# Altium PCB mach PCB.PcbDoc (part 4 of 6)
Units mm, origin at the board's own origin, x right, y up, seen from the top; angles counter-clockwise.
Board outline 300.6 x 300.64 mm, 2 copper layers (Top Layer, Bottom Layer); 688 components, 737 nets, 3205 pads, 25 vias.
Unrouted connection lines stored in the file: 1.
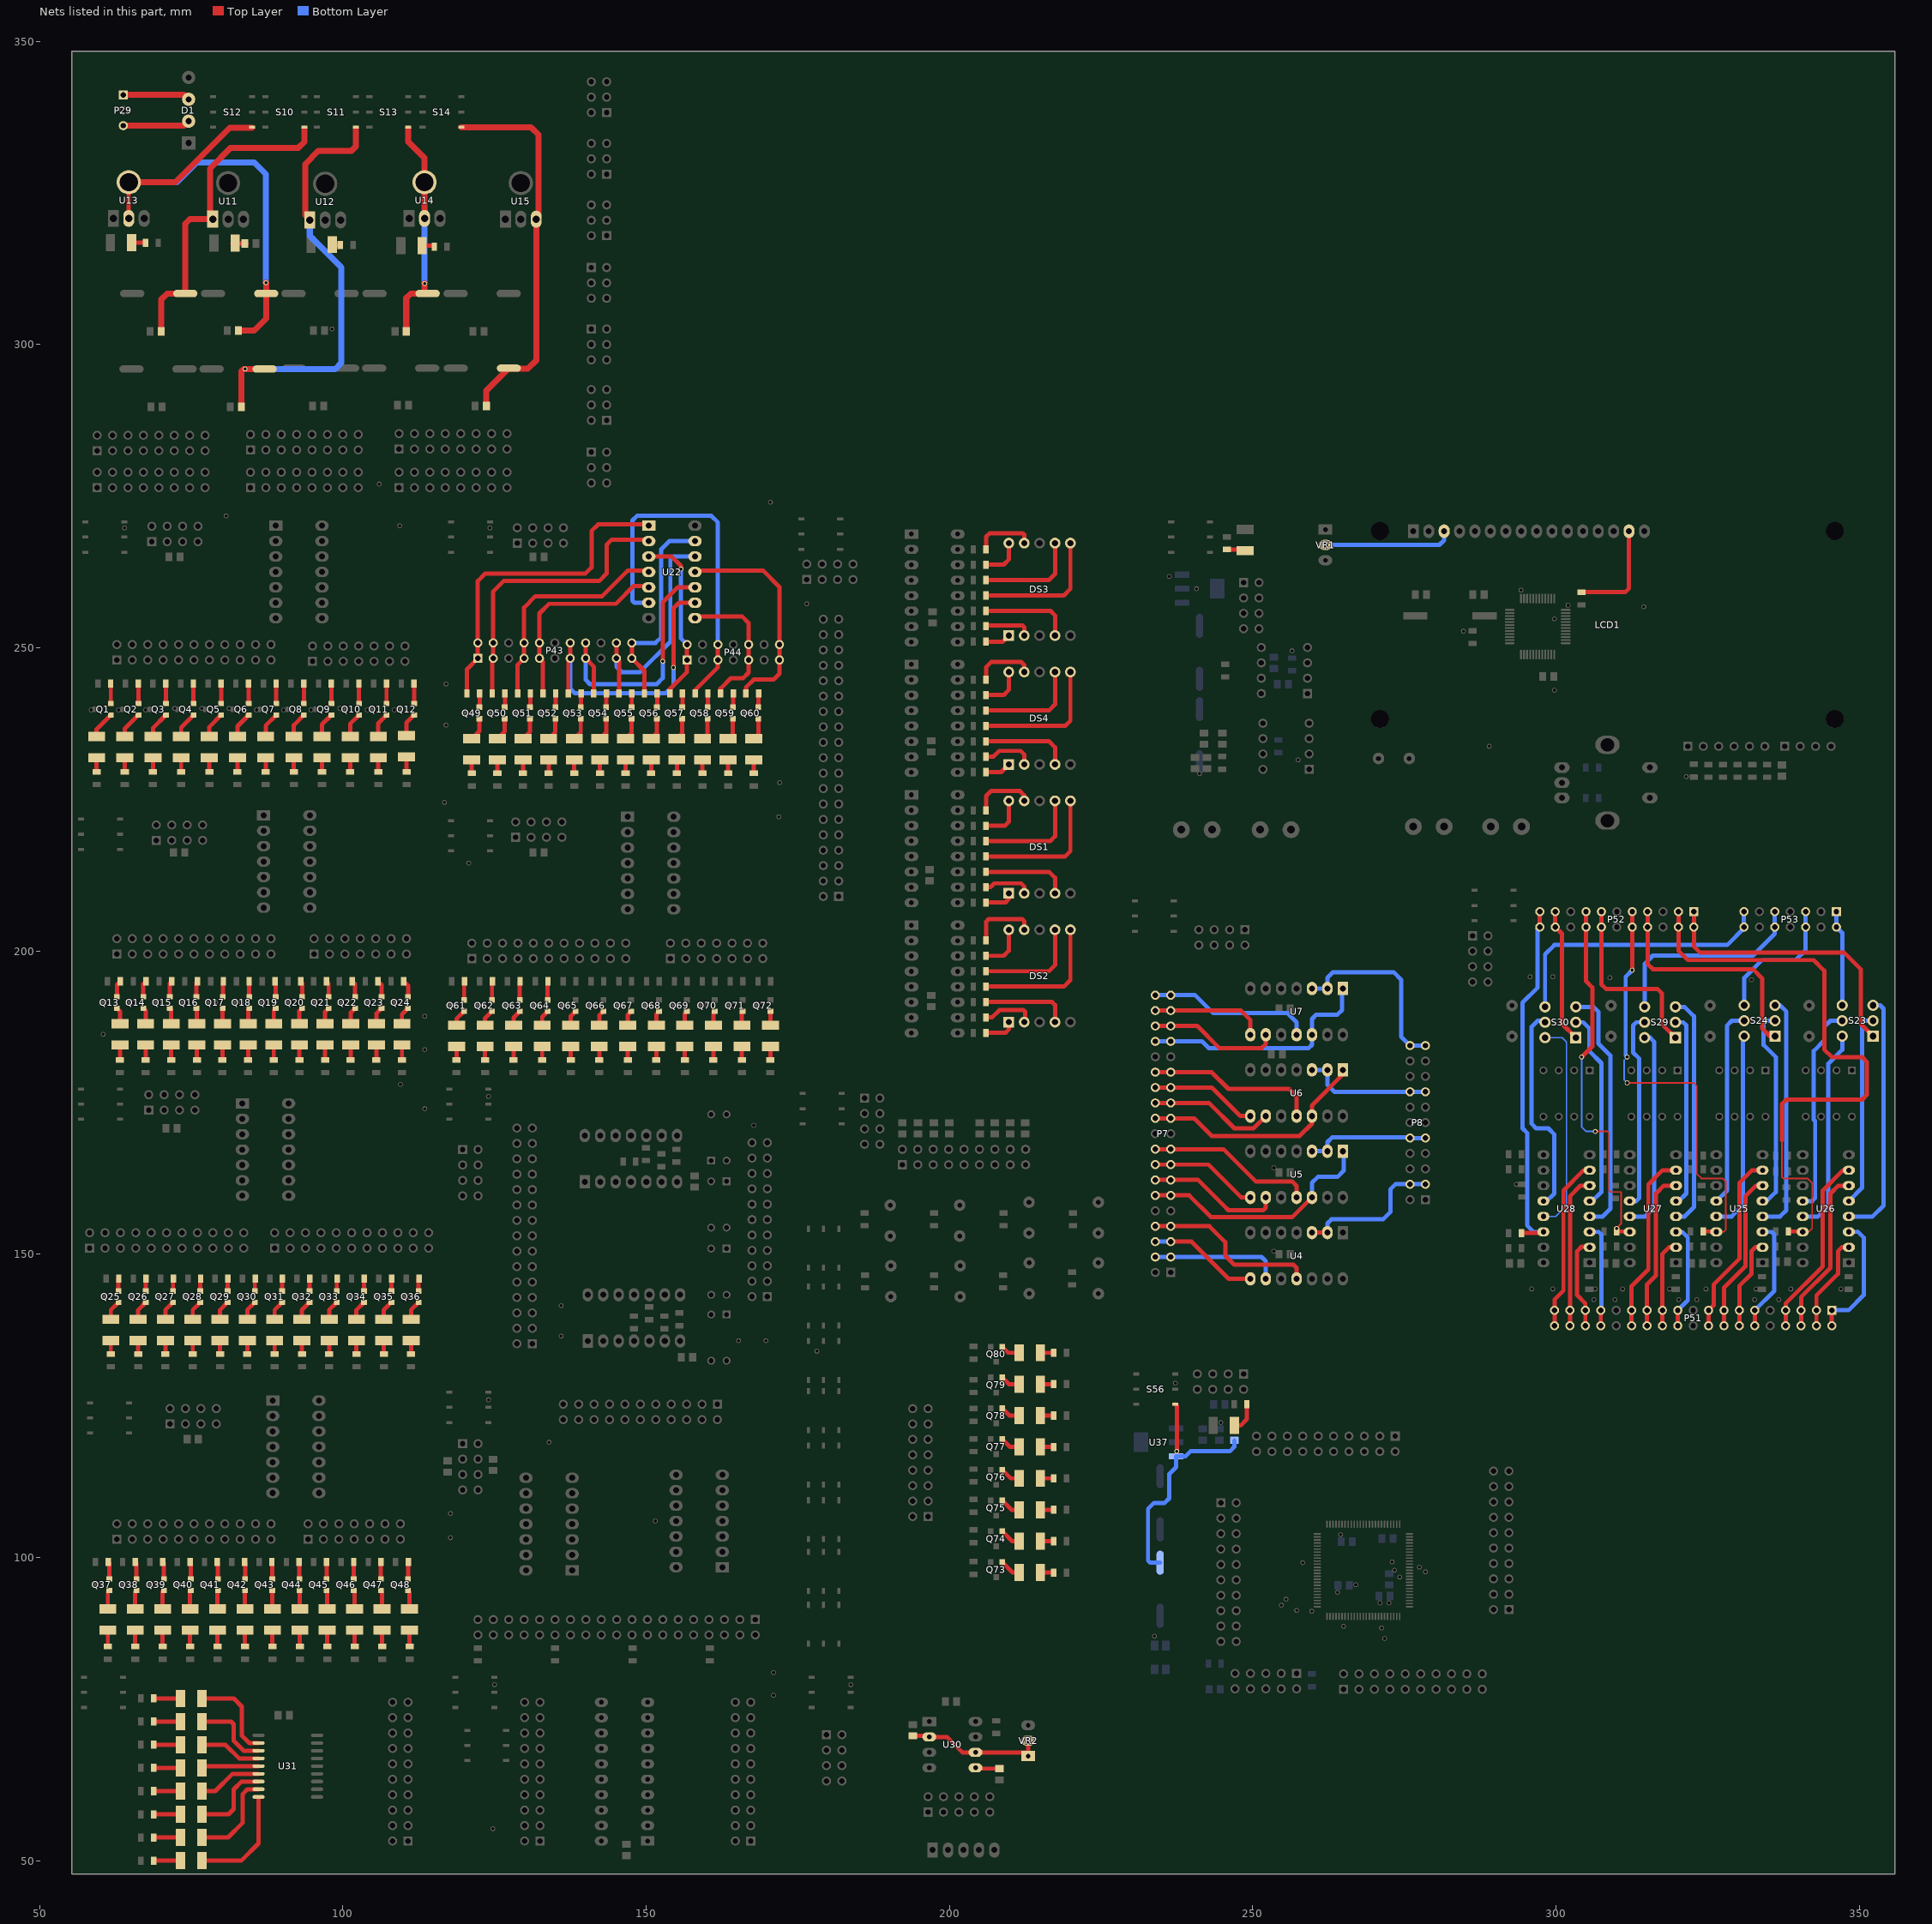
[diagram p4: the nets of this part, all layers, seen from the top]

## Via types
v1: diameter 1.27, hole 0.711, Top Layer to Bottom Layer, 25 vias

## Nets (pads, with @x,y where several pads share a name; then routed paths per layer and width w, separated by ;. In a path a pad name is that pad's centre, name@x,y a point inside that pad or via, vN(x,y) a via of type N, cw(c..) or ccw(c..) an arc to the next point about the centre after c; other vN are vias at no path point) (continued)
LS90_QA1: P7.11 P7.12 U5.1 U5.12 | length 40.4
  Top Layer w0.7: P7.12@233.96,159.7 P7.11@236.5,159.7 239.55,159.7 243.1,156.15 256.556,156.15 259.763,159.357 U5.12@259.79,159.357
  Bottom Layer w0.7: U5.12@259.79,159.357 259.79,161.79 260.75,162.75 264,162.75 265,163.75 265,166.847 U5.1@264.87,166.977
LS90_QA2: P7.21 P7.22 U6.1 U6.12 | length 38.8
  Top Layer w0.7: P7.22@233.96,172.4 P7.21@236.5,172.4 240.35,172.4 243.25,169.5 257.75,169.5 259.79,171.54 U6.12@259.79,172.773 259.79,174.54 264.87,179.62 U6.1@264.87,180.393
LS90_QA3: P7.31 P7.32 U7.1 U7.12 | length 39.9
  Bottom Layer w0.7: P7.32@233.96,185.1 P7.31@236.5,185.1 241.65,185.1 242.75,184 259.25,184 259.79,184.54 U7.12@259.79,186.19 259.79,188.79 260.5,189.5 264,189.5 264.75,190.25 264.75,193.69 U7.1@264.87,193.81
LS90_QB0: P7.3 P7.4 U4.9 | length 21.4
  Bottom Layer w0.7: P7.4@233.96,149.54 P7.3@236.5,149.54 251.46,149.54 252.17,148.83 U4.9@252.17,145.94
LS90_QB1: P7.13 P7.14 U5.9 | length 22.1
  Top Layer w0.7: P7.14@233.96,162.24 P7.13@236.5,162.24 241.01,162.24 245.25,158 246,157.25 251.75,157.25 252.17,157.67 U5.9@252.17,159.357
LS90_QB2: P7.23 P7.24 U6.9 | length 20.8
  Top Layer w0.7: P7.24@233.96,174.94 P7.23@236.5,174.94 242.81,174.94 247,170.75 250.147,170.75 U6.9@252.17,172.773
LS90_QB3: P7.33 P7.34 U7.9 | length 21.5
  Top Layer w0.7: P7.34@233.96,187.64 P7.33@236.5,187.64 240.86,187.64 244.5,184 251.5,184 252.17,184.67 U7.9@252.17,186.19
LS90_QC0: P7.5 P7.6 U4.8 | length 18.2
  Top Layer w0.7: P7.5@236.5,152.08 239.92,152.08 246.06,145.94 U4.8@249.63,145.94
  Bottom Layer w0.7: P7.6@233.96,152.08 P7.5@236.5,152.08
LS90_QC1: P7.15 P7.16 U5.8 | length 17.9
  Top Layer w0.7: P7.16@233.96,164.78 P7.15@236.5,164.78 242.72,164.78 248.143,159.357 U5.8@249.63,159.357
LS90_QC2: P7.25 P7.26 U6.8 | length 17.6
  Top Layer w0.7: P7.26@233.96,177.48 P7.25@236.5,177.48 243.27,177.48 247.977,172.773 U6.8@249.63,172.773
LS90_QC3: P7.35 P7.36 U7.8 | length 18.7
  Top Layer w0.7: P7.36@233.96,190.18 P7.35@236.5,190.18 248.07,190.18 249.63,188.62 U7.8@249.63,186.19
LS90_QD0: P7.7 P7.8 U4.11 | length 29.3
  Top Layer w0.7: P7.8@233.96,154.62 P7.7@236.5,154.62 242.88,154.62 245.5,152 245.5,149.75 247,148.25 256.75,148.25 257.25,147.75 U4.11@257.25,145.94
LS90_QD1: P7.17 P7.18 U5.11 | length 27.7
  Top Layer w0.7: P7.18@233.96,167.32 P7.17@236.5,167.32 245.18,167.32 250.5,162 256.5,162 257.25,161.25 U5.11@257.25,159.357
LS90_QD2: P7.27 P7.28 U6.11 | length 28.2
  Top Layer w0.7: P7.28@233.96,180.02 P7.27@236.5,180.02 243.23,180.02 246,177.25 256,177.25 257.25,176 U6.11@257.25,172.773
LS90_QD3: P7.37 P7.38 U7.11 | length 27.2
  Bottom Layer w0.7: P7.38@233.96,192.72 P7.37@236.5,192.72 240.53,192.72 243.5,189.75 255.75,189.75 257.25,188.25 U7.11@257.25,186.19
LS90_RST0: P8.3 P8.4 U4.2 U4.3 | length 25.1
  Top Layer w0.7: U4.3@259.79,153.56 U4.2@262.33,153.56
  Bottom Layer w0.7: U4.2@262.33,153.56 262.33,155.08 263,155.75 271.5,155.75 272.75,157 272.75,160.75 273.54,161.54 P8.4@275.96,161.54 P8.3@278.5,161.54
LS90_RST1: P8.9 P8.10 U5.2 U5.3 | length 20.6
  Bottom Layer w0.7: U5.3@259.79,166.977 U5.2@262.33,166.977 262.33,168.5 263.08,169.25 275.87,169.25 P8.10@275.96,169.16 P8.9@278.5,169.16
LS90_RST2: P8.15 P8.16 U6.2 U6.3 | length 21.7
  Bottom Layer w0.7: U6.3@259.79,180.393 U6.2@262.33,180.393 262.33,177.92 263.47,176.78 P8.16@275.96,176.78 P8.15@278.5,176.78
LS90_RST3: P8.21 P8.22 U7.2 U7.3 | length 31.4
  Bottom Layer w0.7: U7.3@259.79,193.81 U7.2@262.33,193.81 262.33,195.58 263.25,196.5 273.25,196.5 274.5,195.25 274.5,185.86 P8.22@275.96,184.4 P8.21@278.5,184.4
LS192_CLKI0: P52.1 P52.2 S23.1 | length 46.7
  Top Layer w0.7: P52.1@322.75,206.5 P52.2@322.75,203.96 322.75,200.75 323.75,199.75 347.5,199.75 350.25,197 350.25,188 S23.1@352.29,185.96
LS192_CLKI1: P52.7 P52.8 S24.1 | length 39.4
  Top Layer w0.7: P52.7@315.13,206.5 P52.8@315.13,203.96 315.13,197.87 316,197 332.5,197 334,195.5 334,187.25 335.29,185.96 S24.1@336.123,185.96
LS192_CLKI2: P52.13 P52.14 S29.1 | length 30.8
  Top Layer w0.7: P52.13@307.51,206.5 P52.14@307.51,203.96 307.51,194.49 308.25,193.75 316.75,193.75 317.5,193 317.5,187.917 S29.1@319.707,185.71
LS192_CLKI3: P52.19 P52.20 S30.1 | length 22.2
  Top Layer w0.7: P52.19@299.89,206.5 P52.20@299.89,203.96 301,202.85 301,188 S30.1@303.29,185.71
LS192_CLKO0: P53.1 P53.2 S23.4 | length 15.9
  Bottom Layer w0.7: P53.1@346.25,206.5 P53.2@346.25,203.96 347.21,203 S23.4@347.21,191.04
LS192_CLKO1: P53.5 P53.6 S24.4 | length 22.9
  Bottom Layer w0.7: S24.4@331.043,191.04 331.043,195.543 334,198.5 339.5,198.5 341.17,200.17 P53.6@341.17,203.96 P53.5@341.17,206.5
LS192_CLKO2: P53.9 P53.10 S29.4 | length 34.3
  Bottom Layer w0.7: S29.4@314.627,190.79 314.627,197.877 316,199.25 332.5,199.25 336.09,202.84 P53.10@336.09,203.96 P53.9@336.09,206.5
LS192_CLKO3: P53.13 P53.14 S30.4 | length 46
  Bottom Layer w0.7: S30.4@298.21,190.79 298.21,199.46 299.75,201 328.25,201 331.01,203.76 P53.14@331.01,203.96 P53.13@331.01,206.5
LS192_DOWN0: S23.3 U26.4 | length 40.6
  Bottom Layer w0.7: U26.4@348.312,156.223 352.223,156.223 354.015,158.015 354.015,190.485 353.46,191.04 S23.3@352.54,191.04
LS192_DOWN1: S24.3 U25.4 | length 39.4
  Bottom Layer w0.7: U25.4@334.062,156.223 336.973,156.223 338,157.25 338,190 336.96,191.04 S24.3@336.123,191.04
LS192_DOWN2: S29.3 U27.4 | length 38.8
  Bottom Layer w0.7: S29.3@319.707,190.79 321.21,190.79 322.75,189.25 322.75,157.75 321.223,156.223 U27.4@319.812,156.223
LS192_DOWN3: S30.3 U28.4 | length 41.3
  Bottom Layer w0.7: S30.3@303.29,190.79 306.21,190.79 307,190 307,184.75 309,182.75 309,157.5 307.723,156.223 U28.4@305.562,156.223
LS192_QA0: P51.1 P51.2 U26.3 | length 21.2
  Top Layer w0.7: P51.2@345.5,138.21 P51.1@345.5,140.75
  Bottom Layer w0.7: P51.1@345.5,140.75 348.25,140.75 350.75,143.25 350.75,152.75 349.75,153.75 349.683,153.683 U26.3@348.312,153.683
LS192_QA1: P51.11 P51.12 U25.3 | length 18.5
  Top Layer w0.7: P51.12@332.8,138.21 P51.11@332.8,140.75
  Bottom Layer w0.7: P51.11@332.8,140.75 336,143.95 336,153.25 335.567,153.683 U25.3@334.062,153.683
LS192_QA2: P51.21 P51.22 U27.3 | length 17.5
  Top Layer w0.7: P51.22@320.1,138.21 P51.21@320.1,140.75
  Bottom Layer w0.7: U27.3@319.812,153.683 320.817,153.683 321.75,152.75 321.75,142.4 P51.21@320.1,140.75
LS192_QA3: P51.31 P51.32 U28.3 | length 17.2
  Top Layer w0.7: P51.32@307.4,138.21 P51.31@307.4,140.75
  Bottom Layer w0.7: U28.3@305.562,153.683 307.067,153.683 307.5,153.25 307.5,140.85 P51.31@307.4,140.75
LS192_QB0: P51.3 P51.4 U26.2 | length 15.8
  Top Layer w0.7: P51.4@342.96,138.21 P51.3@342.96,140.71 ; P51.3@342.96,140.75 342.96,143.21 346.5,146.75 346.5,150.5 347.143,151.143 U26.2@348.312,151.143
LS192_QB1: P51.13 P51.14 U25.2 | length 15.2
  Top Layer w0.7: P51.14@330.26,138.21 P51.13@330.26,140.75 330.26,144.76 332.25,146.75 332.25,150.5 332.893,151.143 U25.2@334.062,151.143
LS192_QB2: P51.23 P51.24 U27.2 | length 14.6
  Top Layer w0.7: P51.24@317.56,138.21 P51.23@317.56,140.75 317.56,150.06 318.643,151.143 U27.2@319.812,151.143
LS192_QB3: P51.33 P51.34 U28.2 | length 15.3
  Top Layer w0.7: P51.34@304.86,138.21 P51.33@304.86,140.75 304.86,141.89 303.5,143.25 303.5,150.5 304.25,151.25 305.454,151.25 U28.2@305.562,151.143
LS192_QC0: P51.5 P51.6 U26.6 | length 27.4
  Top Layer w0.7: P51.6@340.42,138.21 P51.5@340.42,140.75 340.42,142.92 345.25,147.75 345.25,160 346.553,161.303 U26.6@348.312,161.303
LS192_QC1: P51.15 P51.16 U25.6 | length 26.3
  Top Layer w0.7: P51.16@327.72,138.21 P51.15@327.72,140.75 327.72,144.47 331.25,148 331.25,159.553 333,161.303 U25.6@334.062,161.303
LS192_QC2: P51.25 P51.26 U27.6 | length 26.3
  Top Layer w0.7: P51.26@315.02,138.21 P51.25@315.02,140.75 315.02,145.02 316.5,146.5 316.5,160 317.803,161.303 U27.6@319.812,161.303
LS192_QC3: P51.35 P51.36 U28.6 | length 25.3
  Top Layer w0.7: P51.36@302.32,138.21 P51.35@302.32,140.75 302.32,159.57 304.053,161.303 U28.6@305.562,161.303
LS192_QD0: P51.7 P51.8 U26.7 | length 30.5
  Top Layer w0.7: P51.8@337.88,138.21 P51.7@337.88,140.75 337.88,141.88 344,148 344,160.5 347.343,163.843 U26.7@348.312,163.843
LS192_QD1: P51.17 P51.18 U25.7 | length 30.3
  Top Layer w0.7: P51.18@325.18,138.21 P51.17@325.18,140.75 326,141.57 326,145 330.25,149.25 330.25,161.75 332.343,163.843 U25.7@334.062,163.843
LS192_QD2: P51.27 P51.28 U27.7 | length 30
  Top Layer w0.7: P51.28@312.48,138.21 P51.27@312.48,140.75 312.48,144.73 315.25,147.5 315.25,161.5 317.593,163.843 U27.7@319.812,163.843
LS192_QD3: P51.37 P51.38 U28.7 | length 28.6
  Top Layer w0.7: P51.38@299.78,138.21 P51.37@299.78,140.75 299.78,142.53 301.25,144 301.25,160.5 304.593,163.843 U28.7@305.562,163.843
LS192_RST0: P52.3 P52.4 R187.2 U26.14 | length 101.9
  Top Layer w0.254: 337.25,168.75 337.25,162.75 337.5,162.5 341.5,162.5 342.25,161.75 342.25,154.25 341.683,153.683 U26.14@340.692,153.683
  Top Layer w0.7: P52.3@320.21,206.5 P52.4@320.21,203.96 320.21,200.04 321.75,198.5 342.5,198.5 344.25,196.75 344.25,183.75 345.5,182.5 350.5,182.5 351.25,181.75 351.25,176.25 350.5,175.5 338,175.5 337.25,174.75 337.25,168.75 ; R187.2@338.325,153.75 340.624,153.75 U26.14@340.692,153.683
LS192_RST1: P52.9 P52.10 pad.24@312.59,196.84 pad.25@311.75,182.5 pad.26@311.75,182.5 pad.27@311.75,178.25 R182.2 U25.14 | length 72.5
  Top Layer w0.254: pad.27@311.75,178.25 322.75,178.25 323.25,177.75 323.25,163.25 324,162.5 327.5,162.5 328,162 328,154 327.683,153.683 U25.14@326.442,153.683 ; pad.24@312.5,196.75 pad.24@312.59,196.84
  Top Layer w0.7: pad.24@312.59,196.84 P52.10@312.59,203.96 P52.9@312.59,206.5 ; R182.2@324.5,153.75 326.374,153.75 U25.14@326.442,153.683
  Bottom Layer w0.254: pad.27@311.75,178.25 311.25,178.75 311.25,182 pad.26@311.75,182.5
  Bottom Layer w0.7: pad.26@311.75,182.5 311.5,182.75 311.5,195.75 pad.24@312.59,196.84
LS192_RST2: P52.15 P52.16 pad.12@304.25,182.5 pad.14@306.5,170.25 pad.14@310,154.25 R194.2 U27.14 | length 61.4
  Top Layer w0.254: pad.14@306.5,170.25 308.5,170.25 308.748,170.002 308.748,168.498 308.748,160.523 309.021,160.25 310.75,160.25 310.75,159.787 310.752,159.785 310.752,155.002 pad.14@310,154.25
  Top Layer w0.7: pad.12@304.25,182.5 306,184.25 306,194 304.97,195.03 P52.16@304.97,203.96 P52.15@304.97,206.5 ; R194.2@310.05,153.75 312.124,153.75 U27.14@312.192,153.683
  Bottom Layer w0.254: pad.12@304.25,182.5 304.25,171 305,170.25 pad.14@306.25,170.25
LS192_RST3: P52.21 P52.22 R199.2 U28.14 | length 59.9
  Top Layer w0.7: R199.2@294.525,153.5 297.759,153.5 U28.14@297.942,153.683 ; P52.22@297.35,203.96 P52.21@297.35,206.5
  Bottom Layer w0.7: P52.22@297.35,203.96 297,203.61 297,194 294.5,191.5 294.5,170.75 295.25,170 295.25,154.75 296.317,153.683 U28.14@297.942,153.683
LS192_TCD0: S23.6 U26.13 | length 33.9
  Bottom Layer w0.7: U26.13@340.692,156.223 343.223,156.223 344.93,157.93 344.93,181.43 347.21,183.71 S23.6@347.21,185.96
LS192_TCD1: S24.6 U25.13 | length 33.1
  Bottom Layer w0.7: U25.13@326.442,156.223 328.973,156.223 330.82,158.07 330.82,185.737 S24.6@331.043,185.96
LS192_TCD2: S29.6 U27.13 | length 33.8
  Bottom Layer w0.7: U27.13@312.192,156.223 314.723,156.223 316.18,157.68 316.18,185.07 315.54,185.71 S29.6@314.627,185.71
LS192_TCD3: S30.6 U28.13 | length 35.4
  Bottom Layer w0.254: U28.13@297.942,156.223 299.973,156.223 301.75,158 301.75,185 301.04,185.71 S30.6@298.21,185.71
LS192_TCU0: S23.5 U26.12 | length 34.9
  Bottom Layer w0.7: U26.12@340.692,158.763 342.263,158.763 342.75,159.25 342.75,171.973 342.53,172.193 342.53,183.53 344.25,185.25 344.25,187.5 345.25,188.5 S23.5@347.21,188.5 S23.5@347.46,188.5
LS192_TCU1: S24.5 U25.12 | length 32.9
  Bottom Layer w0.7: U25.12@326.442,158.763 326.513,158.763 328.25,160.5 328.25,187.75 329,188.5 S24.5@331.043,188.5
LS192_TCU2: S29.5 U27.12 | length 32.8
  Bottom Layer w0.7: U27.12@312.192,158.763 313.263,158.763 313.75,159.25 313.742,159.258 313.742,182.258 312.75,183.25 312.75,187.75 313.25,188.25 S29.5@314.627,188.25
LS192_TCU3: S30.5 U28.12 | length 35.3
  Bottom Layer w0.7: U28.12@297.942,158.763 298.504,158.763 299.75,160.008 299.75,169.742 298.742,170.75 296.75,170.75 296,171.5 296,187.5 297,188.5 297.96,188.5 S30.5@298.21,188.25
LS192_UP0: S23.2 U26.5 | length 32.5
  Bottom Layer w0.7: U26.5@348.312,158.763 350.5,160.951 350.5,188.25 350.75,188.5 S23.2@352.54,188.5
LS192_UP1: S24.2 U25.5 | length 33.5
  Bottom Layer w0.7: U25.5@334.062,158.763 334.763,158.763 336.25,160.25 336.25,182.5 334.25,184.5 334.25,185.206 334.25,188 334.75,188.5 S24.2@336.123,188.5
LS192_UP2: S29.2 U27.5 | length 32
  Bottom Layer w0.7: S29.2@319.707,188.25 321,188.25 321.5,187.75 321.5,160 320.263,158.763 U27.5@319.812,158.763
LS192_UP3: S30.2 U28.5 | length 33
  Bottom Layer w0.7: S30.2@303.29,188.25 304.5,188.25 305.5,187.25 305.5,183.5 307.5,181.5 307.5,160.25 306.013,158.763 U28.5@305.562,158.763
NANDI1: P43.1 P43.2 R132.2 U22.1 | length 54.8
  Top Layer w0.7: R132.2@120.45,242.5 120.45,246.45 P43.1@122.25,248.25 P43.2@122.25,250.79 122.25,261 123.5,262.25 140,262.25 141,263.25 141,269.25 142.12,270.37 U22.1@150.44,270.37
NANDI2: P43.3 P43.4 R133.2 U22.2 | length 48.8
  Top Layer w0.7: R133.2@124.632,242.5 124.632,248.092 P43.3@124.79,248.25 P43.4@124.79,250.79 124.79,259.29 126.5,261 142.25,261 143.5,262.25 143.5,267 144.33,267.83 U22.2@150.44,267.83
NANDI3: P43.7 P43.8 R134.2 U22.4 | length 37.7
  Top Layer w0.7: R134.2@128.814,242.5 128.814,247.194 P43.7@129.87,248.25 P43.8@129.87,250.79 129.87,256.62 131.75,258.5 142.75,258.5 147,262.75 U22.4@150.44,262.75
NANDI4: P43.9 P43.10 R135.2 U22.5 | length 33.3
  Top Layer w0.7: R135.2@132.995,242.5 132.995,247.665 P43.9@132.41,248.25 P43.10@132.41,250.79 132.41,255.66 134,257.25 145,257.25 147.96,260.21 U22.5@150.44,260.21
NANDI5: P43.13 P43.14 pad.12@154.5,246.75 R140.2 U22.9 | length 47.9
  Top Layer w0.7: R140.2@137.177,242.5 137.177,247.937 P43.13@137.49,248.25 P43.14@137.49,250.79 ; pad.12@154.5,246.75 154.5,256.5 155.42,257.42 U22.9@158.06,257.42
  Bottom Layer w0.7: P43.13@137.49,248.25 137.49,243.26 138.25,242.5 153.25,242.5 154.5,243.75 pad.12@154.5,246.75
NANDI6: P43.15 P43.16 pad.13@152.75,247.75 R141.2 U22.10 | length 44.6
  Top Layer w0.7: P43.16@140.03,250.79 P43.15@140.03,248.25 141.359,246.921 R141.2@141.359,242.5 ; pad.13@152.75,247.75 152.75,257.5 155.21,259.96 U22.10@158.06,259.96
  Bottom Layer w0.7: P43.15@140.03,248.25 140.03,244.72 140.75,244 151.75,244 152.75,245 pad.13@152.75,247.75
NANDI7: P43.19 P43.20 R142.2 U22.12 | length 38.9
  Top Layer w0.7: P43.20@145.11,250.79 P43.19@145.11,248.25 145.541,247.819 R142.2@145.541,242.5
  Bottom Layer w0.7: P43.19@145.11,248.25 145.11,246.89 146,246 149,246 154,251 154,264.5 154.54,265.04 U22.12@158.06,265.04
NANDI8: P43.21 P43.22 R143.2 U22.13 | length 35
  Top Layer w0.7: P43.22@147.65,250.79 P43.21@147.65,248.25 149.723,246.177 R143.2@149.723,242.5
  Bottom Layer w0.7: P43.22@147.65,250.79 151.54,250.79 152.5,251.75 152.5,266.25 153.83,267.58 U22.13@158.06,267.58
NANDO1: P44.1 P44.2 pad.14@155.75,263 R148.2 U22.3 | length 28.5
  Top Layer w0.7: U22.3@150.44,265.04 154.21,265.04 155.75,263.5 pad.14@155.75,263 ; R148.2@153.905,242.5 153.905,243.155 156.75,246 P44.1@156.75,248 P44.2@156.75,250.54
  Bottom Layer w0.7: pad.14@155.75,263 155.75,251.54 P44.2@156.75,250.54
NANDO2: P44.5 P44.6 R149.2 U22.6 | length 60.6
  Top Layer w0.7: R149.2@158.086,242.5 158.086,243.025 161.83,246.769 P44.5@161.83,248 P44.6@161.83,250.54
  Bottom Layer w0.7: U22.6@150.44,257.42 148.08,257.42 147.75,257.75 147.75,271 148.5,271.75 160.75,271.75 161.83,270.67 P44.6@161.83,250.54
NANDO3: P44.9 P44.10 R150.2 U22.8 | length 24.2
  Top Layer w0.7: U22.8@158.06,255.13 165.87,255.13 166.91,254.09 P44.10@166.91,250.54 ; R150.2@162.268,242.5 162.268,243.268 164,245 166,245 166.91,245.91 P44.9@166.91,248 P44.10@166.91,250.54 ; P44.10@166.75,250.38 P44.10@166.91,250.54
NANDO4: P44.13 P44.14 R151.2 U22.11 | length 36.8
  Top Layer w0.7: U22.11@158.06,262.75 169.25,262.75 171.99,260.01 P44.14@171.99,250.54 P44.13@171.99,248 171.99,245.74 171,244.75 167.75,244.75 166.45,243.45 R151.2@166.45,242.5
NetC11_1: C11.1 C15.2 S10.1 U11.1 | length 53.8
  Top Layer w1: C15.2@70.071,302.193 70.071,307.436 71.051,308.416 C11.1@74.028,308.416 74.028,319.902 74.798,320.671 U11.1@78.1,320.671 ; U11.1@78.544,320.671 U11.1@78.1,320.671 ; 93.657,335.594 93.657,333.435 92.641,332.419 81.465,332.419 78.1,329.053 U11.1@78.1,320.671
NetC13_1: C13.1 C17.2 pad.1@83.878,295.97 S11.1 U12.1 | length 73.9
  Top Layer w1: C17.2@83.279,289.747 83.279,295.625 83.624,295.97 C13.1@87.109,295.97 ; U12.1@94.546,320.544 93.784,321.306 93.784,329.752 95.943,331.911 101.404,331.911 102.166,332.673 102.166,335.594
  Bottom Layer w1: pad.1@83.878,295.97 98.737,295.97 99.753,296.986 99.753,312.734 94.546,317.941 U12.1@94.546,320.544
NetC19_2: C19.2 C20.2 pad.1@87.307,310.194 S12.1 U13.2 | length 87.7
  Top Layer w0.7: U13.2@64.701,320.798 U13.2@64.701,326.767 ; 81.351,335.734 81.465,335.848 S12.1@85.021,335.848
  Top Layer w1: U13.2@64.701,326.767 72.384,326.767 81.351,335.734 S12.1@85.021,335.734 ; C20.2@82.771,302.32 85.402,302.32 87.363,304.281 C19.2@87.363,308.416 87.363,310.138 pad.1@87.307,310.194
  Bottom Layer w1: U13.2@64.701,326.767 72.638,326.767 75.877,330.006 85.402,330.006 87.307,328.101 pad.1@87.307,310.194
NetC22_2: C22.2 C23.2 pad.0@113.469,310.067 S13.1 U14.2 | length 37.8
  Top Layer w1: C23.2@110.457,302.193 110.457,307.69 111.183,308.416 C22.2@113.982,308.416 113.469,308.929 pad.0@113.469,310.067 ; 110.802,335.594 110.802,333.435 113.469,330.768 U14.2@113.469,326.767 U14.2@113.469,320.798
  Bottom Layer w1: pad.0@113.469,310.067 U14.2@113.469,320.798
NetC27_2: C27.2 C29.1 S14.1 U15.3 | length 63.4
  Top Layer w1: S14.1@119.565,335.848 130.995,335.848 132.244,334.599 132.244,321.032 U15.3@131.884,320.671 131.884,297.384 130.5,296 127.271,296 123.665,292.394 C27.2@123.665,289.874
NetC52_2: C52.2 U30.2 U30.6 VR2.1 VR2.2 | length 22.9
  Top Layer w0.7: C52.2@194,70.575 196.508,70.575 U30.2@196.69,70.393 199.607,70.393 202.147,67.853 U30.6@204.31,67.853 212.397,67.853 VR2.1@213,67.25 VR2.2@213,69.79
NetC53_2: C53.2 U30.5 | length 4
  Top Layer w0.7: U30.5@204.31,65.313 204.448,65.175 C53.2@208.25,65.175
NetC76_2: C76.2 C78.1 pad.11@237.5,117.5 S56.1 U37.3 | length 41.5
  Top Layer w0.7: S56.1@237.246,125.25 237.5,124.996 pad.11@237.5,117.5
  Bottom Layer w0.7: C78.1@234.75,99.124 233.126,99.124 232.75,99.5 232.75,108 233.75,109 235.5,109 236.25,109.75 236.25,113.75 237.4,114.9 U37.3@237.4,116.7 238.95,116.7 239.75,117.5 246.25,117.5 247,118.25 C76.2@247,119.325
NetD1_2: D1.2 P29.3 | length 11.1
  Top Layer w1: P29.3@63.812,336.102 73.835,336.102 D1.2@74.575,336.842
NetD1_3: D1.3 P29.1 | length 11.1
  Top Layer w1: P29.1@63.812,341.182 73.835,341.182 D1.3@74.575,340.442
NetD2_1: D2.1 R13.2 | length 2.3
  Top Layer w0.7: D2.1@81.814,316.671 R13.2@84.092,316.671
NetD3_1: D3.1 R14.2 | length 1.5
  Top Layer w0.7: D3.1@98.074,316.417 R14.2@99.592,316.417
NetD4_2: D4.2 R15.2 | length 2.3
  Top Layer w0.7: D4.2@65.181,316.798 R15.2@67.461,316.798
NetD5_2: D5.2 R16.2 | length 1.9
  Top Layer w0.7: D5.2@113.06,316.29 R16.2@114.959,316.29
NetD6_1: D6.1 R31.2 | length 3.1
  Top Layer w0.254: D6.1@248.55,266.2 D6.1@248.75,266
  Top Layer w0.7: R31.2@245.75,266.2 D6.1@248.55,266.2
NetD7_1: D7.1 R32.1 | length 2.3
  Top Layer w0.7: R32.1@59.403,229.55 D7.1@59.403,231.866
NetD7_2: D7.2 Q1.3 | length 4.5
  Top Layer w0.7: D7.2@59.403,235.366 59.403,236.562 Q1.3@61.75,238.909
NetD8_1: D8.1 R33.1 | length 2.3
  Top Layer w0.7: R33.1@64.048,229.55 D8.1@64.048,231.866
NetD8_2: D8.2 Q2.3 | length 4.5
  Top Layer w0.7: D8.2@64.048,235.366 64.048,236.662 Q2.3@66.295,238.909
NetD9_1: D9.1 R34.1 | length 2.3
  Top Layer w0.7: R34.1@68.693,229.55 D9.1@68.693,231.866
NetD9_2: D9.2 Q3.3 | length 4.4